# KiCad board nyx.kicad_pcb (continued)
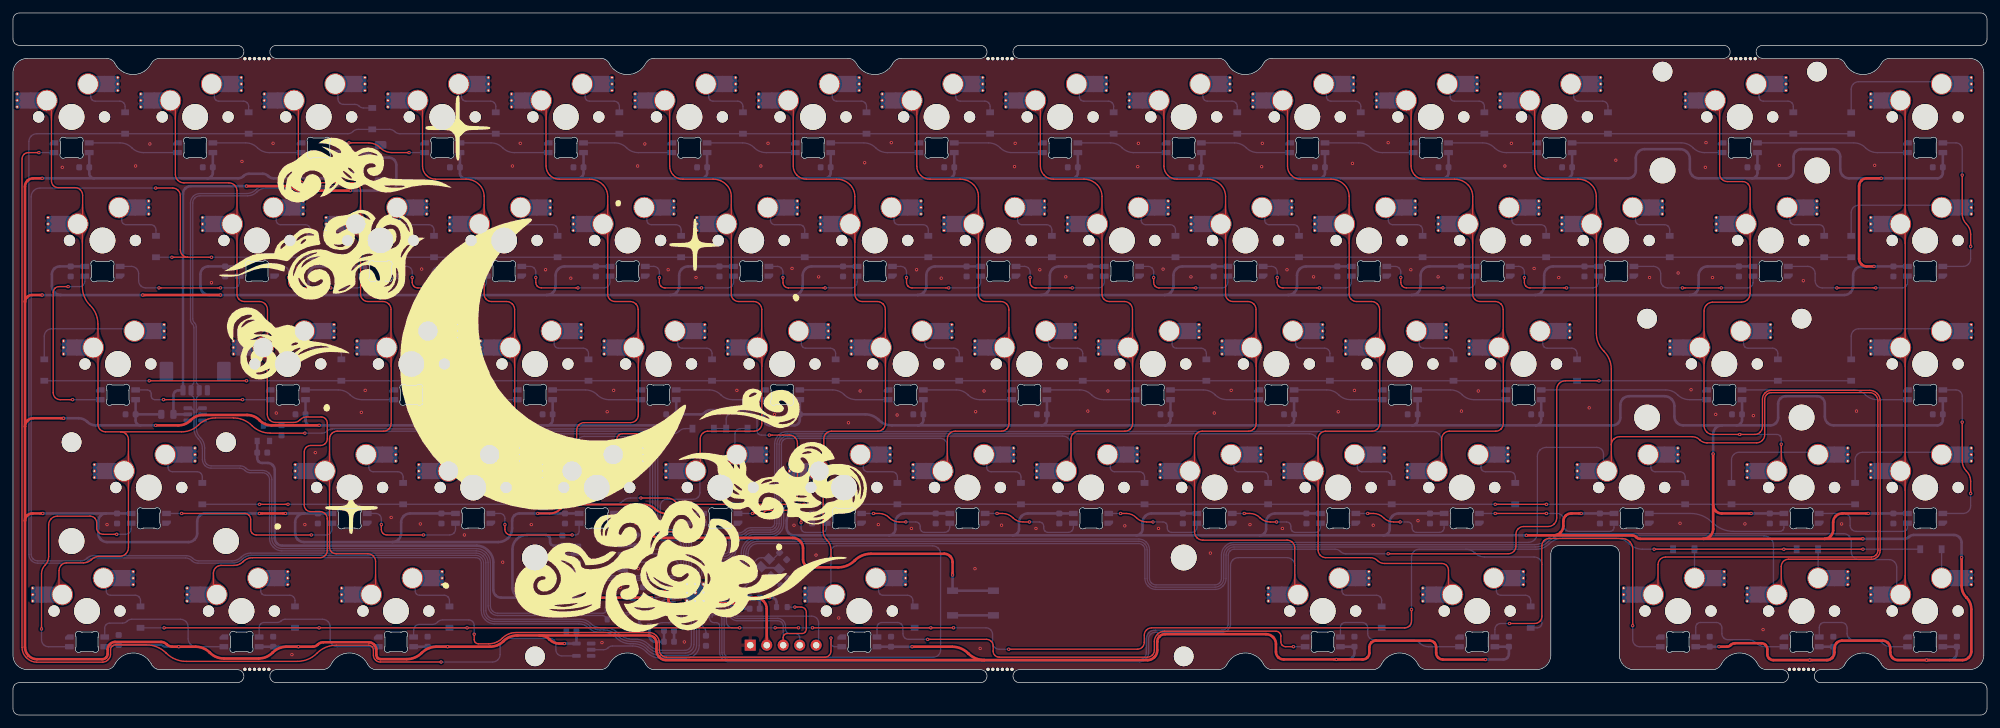
[diagram p0: board, top side]
## Routing (per net, layer and track width the routed paths; a pad name or vN(x,y) marks a point on that pad's centre or on a via; arc(x,y) is an arc through that point) (continued)
GND: length 20.9
  Bottom w0.2: U3.19 109.72,19.88 arc(110.32,20) 110.83,20.35 v1(111.43,20.95)
  Bottom w0.3: Y1.2 115.53,22.7 117.94,22.7 Y1.4
  Bottom w0.4: C12.2 C10.2 ; C15.2 C14.2 ; SW1.1 SW1.1 ; C6.2 C11.2 ; C4.2 C5.2 ; C8.2 C9.2
  vias: v1(7.6,84.47) v1(14.5,29.37) v1(18.9,84.67) v1(21.1,88.07) v1(30.6,66.67) v1(35.3,85.37) v1(40.1,88.17) v1(40.6,46.57) v1(43,9.32) v1(43.9,68.97) v1(45,29.37) v1(46.6,40.47) v1(47.9,67.57) v1(53.7,46.67) v1(54.3,50.07) v1(58.3,30.47) v1(62.8,29.47) v1(63,68.77) v1(67.1,67.57) v1(69.6,27.77) v1(72.4,46.77) v1(73.5,50.07) v1(75.5,23.57) v1(77,84.67) v1(78.2,88.17) v1(79.9,29.37) v1(82.1,68.67) v1(86,67.37) v1(90.8,11.17) v1(91.6,46.77) v1(92.6,50.07) v1(93.6,19.67) v1(96,29.57) v1(96.3,84.67) v1(96.4,22.57) v1(97.4,88.07) v1(101,68.67) v1(102.3,29.67) v1(103.5,11.27) v1(105.3,67.47) v1(105.5,25.97) v1(111.6,50.07) v1(115.3,84.67) v1(116.4,88.17) v1(117.4,46.37) v1(120.1,68.87) v1(120.4,29.27) v1(123.8,24.67) v1(124.2,67.57) v1(127.3,14.97) v1(128.8,45.07) v1(130.6,49.97) v1(131.3,85.17) v1(133.4,29.37) v1(135.4,88.27) v1(136.3,46.27) v1(138.5,28.77) v1(139.3,68.67) v1(143.1,67.37) v1(148.3,22.57) v1(148.4,46.77) v1(149.1,10.27) v1(149.7,49.97) v1(152.4,29.27) v1(154.4,84.57) v1(154.5,88.17) v1(157.7,28.77) v1(158.3,68.67) v1(162.3,67.57) v1(165.7,46.87) v1(168.8,49.97) v1(171.4,29.17) v1(173.4,84.57) v1(173.5,88.17) v1(176.6,28.77) v1(177.3,68.77) v1(181.6,67.57) v1(184.6,24.97) v1(185.2,46.57) v1(187.8,50.07) v1(190.7,29.37) v1(192.5,84.57) v1(192.6,88.17) v1(195.7,28.77) v1(196.4,68.67) v1(200.5,67.57) v1(204.3,46.77) v1(206.5,85.07) v1(206.8,50.07) v1(209.7,29.27) v1(212,88.27) v1(215.5,68.67) v1(216.6,29.97) v1(219.7,67.57) v1(223.3,46.87) v1(225.9,49.97) v1(230,84.67) v1(231,88.17) v1(234.5,68.87) v1(238.3,67.47) v1(243,47.37) v1(247.1,85.57) v1(252.3,67.47) v1(256.7,68.17) v1(257,29.57) v1(258.7,50.17) v1(260.9,84.47) v1(261,88.27) v1(262,67.47) v1(262.5,46.37) v1(267,29.47) v1(268.3,46.17) v1(269.8,13.17) v1(272.3,84.77) v1(276,66.97) v1(281.9,29.47) v1(284.2,46.87) v1(287,84.77)
VBUS: length 81.7
  Top w0.4: v1(36,81.57) 42.52,81.57 arc(42.96,81.48) 43.34,81.24 43.36,81.21 arc(43.74,80.96) 44.18,80.87 v1(52,80.87)
  Bottom w0.4: v1(36,81.57) 27.42,81.57 arc(26.96,81.48) 26.57,81.22 26.56,81.21 arc(26.3,80.82) 26.21,80.37 J1.1 25.52,50.08 arc(25.23,50.02) 24.99,49.86 24.96,49.83 arc(24.79,49.59) 24.74,49.3 F1.1 ESD1.5 ; v1(52,80.87) 58.09,80.87 arc(58.47,80.95) 58.79,81.17 58.81,81.18 arc(59.02,81.5) 59.1,81.89 59.1,84.82 arc(59.02,85.24) 58.78,85.59 58.72,85.65 arc(58.37,85.89) 57.94,85.97 56.11,85.97 arc(55.73,86.05) 55.41,86.27 55.34,86.33 arc(55.02,86.55) 54.64,86.62 J3.1
/DM: length 153.5
  Bottom w0.2: 52.1,85.62 51.99,85.51 arc(51.78,85.37) 51.53,85.32 51.3,85.32 arc(50.94,85.25) 50.63,85.04 50.59,85 arc(50.38,84.7) 50.31,84.33 50.31,82.55 arc(50.24,82.21) 50.05,81.92 50.01,81.89 arc(49.72,81.69) 49.38,81.62 38.88,81.62 arc(38.12,81.47) 37.47,81.04 37.44,81.01 arc(36.79,80.57) 36.03,80.42 28.8,80.42 arc(28.26,80.32) 27.81,80.01 27.77,79.98 arc(27.47,79.52) 27.36,78.99 27.36,60.99 arc(27.43,60.64) 27.63,60.35 27.64,60.34 arc(27.83,60.05) 27.9,59.71 27.9,51.42 arc(27.85,51.19) 27.72,51 27.46,50.73 J1.2 27.46,49.41 27.74,49.14 arc(27.87,48.94) 27.91,48.71 27.91,46.68 ; ESD1.6 27.52,47.32 27.74,47.1 arc(27.87,46.91) 27.91,46.68 ; 27.91,46.68 27.91,44.15 arc(28.08,43.33) 28.54,42.63 28.57,42.6 arc(29.04,41.9) 29.2,41.08 29.2,39.41 arc(29.3,38.91) 29.58,38.49 29.62,38.45 arc(30.04,38.17) 30.54,38.07 34.92,38.07 arc(35.36,37.98) 35.74,37.74 35.76,37.71 arc(36.14,37.46) 36.58,37.37 38.45,37.37 arc(38.88,37.29) 39.23,37.05 39.23,37.05 arc(39.47,36.69) 39.56,36.27 39.56,27.2 arc(39.69,26.53) 40.07,25.96 40.19,25.83 arc(40.76,25.46) 41.43,25.32 71.42,25.32 arc(72.09,25.19) 72.66,24.81 72.74,24.73 arc(73.12,24.16) 73.25,23.49 73.25,16.81 arc(73.36,16.27) 73.66,15.82 73.72,15.76 arc(74.17,15.46) 74.71,15.35 90.79,15.35 arc(91.11,15.29) 91.38,15.11 91.61,14.88 R5.2
/DP: length 152.5
  Bottom w0.2: 28.26,46.69 28.26,48.69 arc(28.31,48.91) 28.44,49.11 28.71,49.38 J1.3 28.71,50.76 28.43,51.05 arc(28.3,51.24) 28.25,51.47 28.25,59.85 arc(28.18,60.19) 27.99,60.49 27.98,60.49 arc(27.78,60.79) 27.71,61.13 27.71,78.97 arc(27.8,79.39) 28.04,79.74 28.04,79.75 arc(28.4,79.99) 28.82,80.07 36.17,80.07 arc(36.94,80.22) 37.59,80.66 37.61,80.69 arc(38.26,81.12) 39.03,81.27 49.4,81.27 arc(49.86,81.36) 50.25,81.62 50.31,81.68 arc(50.57,82.07) 50.66,82.53 50.66,84.31 arc(50.71,84.56) 50.85,84.77 50.86,84.78 arc(51.07,84.92) 51.32,84.97 51.48,84.97 arc(51.73,84.92) 51.94,84.78 52.1,84.62 ; 28.26,46.69 28.26,44.3 arc(28.43,43.47) 28.89,42.78 28.92,42.75 arc(29.39,42.05) 29.55,41.23 29.55,39.43 arc(29.63,39.05) 29.84,38.72 29.85,38.71 arc(30.18,38.5) 30.56,38.42 35.07,38.42 arc(35.51,38.33) 35.88,38.09 35.91,38.06 arc(36.28,37.81) 36.72,37.72 38.48,37.72 arc(39.01,37.62) 39.47,37.31 39.49,37.28 arc(39.8,36.83) 39.9,36.29 39.9,27.22 arc(40.02,26.66) 40.33,26.19 40.43,26.1 arc(40.9,25.78) 41.45,25.67 71.44,25.67 arc(72.22,25.52) 72.89,25.07 73,24.96 arc(73.44,24.3) 73.6,23.51 73.6,16.83 arc(73.68,16.41) 73.92,16.05 73.95,16.02 arc(74.31,15.78) 74.73,15.7 90.98,15.7 arc(91.17,15.74) 91.33,15.85 91.61,16.13 R4.2 ; 28.26,46.69 arc(28.31,46.91) 28.44,47.11 28.65,47.32 ESD1.1
/~{USB_BOOT}: length 64.2
  Top w0.4: v1(97.3,27.78) 98.28,27.78 arc(98.57,27.72) 98.81,27.56 98.83,27.54 arc(99.07,27.38) 99.36,27.32 120.19,27.32 arc(120.8,27.2) 121.32,26.85 121.33,26.84 arc(121.68,26.32) 121.8,25.71 121.8,23.95 arc(121.89,23.51) 122.14,23.14 122.16,23.11 arc(122.54,22.86) 122.98,22.77 127.23,22.77 arc(128.59,23.04) 129.74,23.81 129.76,23.83 arc(130.91,24.6) 132.27,24.87 143.58,24.87 arc(144.06,24.78) 144.47,24.51 144.48,24.49 arc(144.75,24.08) 144.85,23.6 v1(144.85,21.59)
  Bottom w0.4: 96.1,27.78 v1(97.3,27.78) ; SW1.2 SW1.2 v1(144.85,21.59)
ARGB_3V3: length 23.1
  Bottom w0.2: U3.34 105.78,10.72 arc(105.64,10.02) 105.24,9.42 105.16,9.33 arc(104.56,8.93) 103.85,8.79 99.8,8.79 arc(98.69,9.01) 97.75,9.64 97.59,9.8 arc(96.65,10.43) 95.54,10.65 92.42,10.65 arc(92.05,10.58) 91.75,10.37 91.73,10.35 arc(91.42,10.14) 91.06,10.07 U2.2
ARGB_5V: length 177
  Top w0.2: v1(66,8.17) 56.61,8.17 arc(56.24,8.24) 55.94,8.45 55.84,8.54 arc(55.64,8.85) 55.56,9.21 55.56,10.01 arc(55.51,10.3) 55.34,10.54 55.33,10.55 arc(55.09,10.72) 54.8,10.77 49.86,10.77 arc(48.23,10.45) 46.86,9.53 46.84,9.52 arc(45.47,8.6) 43.84,8.27 26.7,8.27 arc(25.04,8.6) 23.63,9.55 23.62,9.55 arc(22.21,10.49) 20.55,10.82 15.8,10.82 arc(15.51,10.77) 15.27,10.6 15.26,10.6 arc(15.1,10.35) 15.04,10.07 15.04,9.37 arc(14.96,8.95) 14.72,8.59 14.61,8.48 arc(14.25,8.24) 13.83,8.16 3.65,8.16 arc(2.83,8.32) 2.13,8.79 2.03,8.89 arc(1.56,9.59) 1.4,10.41 1.4,85.78 arc(1.47,86.14) 1.68,86.45 1.69,86.46 arc(2,86.67) 2.36,86.74 v1(4,86.74)
  Bottom w0.2: LED1.3 v1(4,86.74) ; U2.4 84.62,9.12 arc(84.28,9.19) 83.99,9.39 83.96,9.41 arc(83.77,9.7) 83.7,10.05 83.7,10.9 arc(83.63,11.24) 83.44,11.54 83.41,11.56 arc(83.12,11.75) 82.78,11.82 76.37,11.82 arc(75.89,11.73) 75.48,11.46 75.47,11.44 arc(75.2,11.03) 75.1,10.55 75.1,9.35 arc(75.01,8.91) 74.76,8.54 74.74,8.51 arc(74.36,8.26) 73.92,8.17 v1(66,8.17)
Col0: length 204.3
  Top w0.2: MX59.1 7.1,19.08 7.1,22.3 arc(7.19,22.74) 7.44,23.11 7.46,23.14 arc(7.84,23.38) 8.28,23.47 10.9,23.47 arc(11.55,23.6) 12.1,23.97 12.1,23.97 arc(12.65,24.34) 13.3,24.47 16.44,24.47 arc(16.96,24.58) 17.4,24.87 17.4,24.88 arc(17.7,25.31) 17.8,25.83 17.8,36.96 MX45.1 17.8,38.3 17.8,42.5 arc(17.71,42.94) 17.46,43.31 17.44,43.34 arc(17.06,43.58) 16.62,43.67 ; MX1.1 5.93,94.07 5.93,82.36 arc(6.01,81.98) 6.23,81.66 6.25,81.63 arc(6.58,81.42) 6.96,81.34 9.57,81.34 arc(10.01,81.25) 10.38,81 10.4,80.99 arc(10.65,80.61) 10.73,80.17 10.73,76.48 MX16.1 10.7,75.01 10.7,66.05 arc(11.01,64.5) 11.89,63.19 11.91,63.16 arc(12.79,61.84) 13.1,60.29 13.1,57.41 MX31.1 13.1,55.95 13.1,44.85 arc(13.19,44.41) 13.44,44.04 13.46,44.01 arc(13.84,43.76) 14.28,43.67 16.62,43.67 ; 16.62,43.67 26.02,43.67 arc(27.42,43.95) 28.6,44.74 28.62,44.75 arc(29.8,45.54) 31.2,45.82 33.99,45.82 arc(35.52,45.52) 36.82,44.65 36.83,44.64 arc(38.13,43.78) 39.66,43.47 v1(45,43.47)
  Bottom w0.2: v1(45,43.47) 47.65,43.47 arc(48.07,43.56) 48.42,43.79 48.43,43.8 arc(48.79,44.04) 49.21,44.12 97.63,44.12 arc(98.3,43.99) 98.86,43.61 98.89,43.58 arc(99.27,43.02) 99.4,42.35 99.4,29.33 arc(99.48,28.91) 99.72,28.55 99.78,28.49 arc(100.13,28.26) 100.56,28.17 102.51,28.17 arc(103.1,28.05) 103.6,27.72 103.73,27.59 arc(104.07,27.09) 104.18,26.5 U3.5
Col1: length 215.2
  Top w0.2: MX2.1 25.03,94.02 25.03,83.38 arc(25.13,82.88) 25.42,82.46 25.42,82.45 arc(25.84,82.17) 26.34,82.07 33.3,82.07 arc(33.76,81.98) 34.15,81.72 34.18,81.69 arc(34.44,81.3) 34.53,80.84 34.53,76.46 MX17.1 34.53,74.99 34.53,64.89 arc(34.62,64.47) 34.86,64.12 34.88,64.09 arc(35.23,63.86) 35.66,63.77 37.98,63.77 arc(38.46,63.68) 38.87,63.41 38.87,63.4 arc(39.14,63) 39.23,62.52 39.23,57.35 MX32.1 39.2,56.04 39.2,46.39 arc(39.3,45.91) 39.57,45.51 39.58,45.49 arc(39.99,45.22) 40.47,45.12 43.27,45.12 arc(43.81,45.23) 44.26,45.53 44.29,45.56 arc(44.74,45.87) 45.28,45.97 47.53,45.97 arc(47.87,45.9) 48.16,45.71 48.19,45.69 arc(48.38,45.39) 48.45,45.05 48.45,42.59 arc(48.37,42.2) 48.16,41.88 48.14,41.87 arc(47.82,41.65) 47.44,41.57 45.91,41.57 arc(45.53,41.5) 45.21,41.28 45.19,41.27 arc(44.98,40.94) 44.9,40.56 44.9,32.39 arc(44.98,32) 45.19,31.68 45.21,31.67 arc(45.53,31.45) 45.91,31.37 47.34,31.37 arc(47.77,31.29) 48.12,31.05 48.13,31.04 arc(48.37,30.69) 48.45,30.27 48.45,25.38 arc(48.37,24.96) 48.13,24.6 48.12,24.59 arc(47.77,24.36) 47.34,24.27 36.93,24.27 arc(36.16,24.12) 35.51,23.69 35.49,23.66 arc(34.84,23.22) 34.07,23.07 32.08,23.07 arc(31.64,22.98) 31.26,22.74 31.24,22.71 arc(30.99,22.34) 30.9,21.9 30.9,19.1 MX60.1
  Bottom w0.2: U3.35 105.38,10.8 arc(105.27,10.21) 104.93,9.7 104.85,9.63 arc(104.35,9.29) 103.76,9.17 99.91,9.17 arc(98.8,9.39) 97.86,10.02 97.73,10.15 arc(96.79,10.78) 95.68,11 95.18,11 arc(94.03,11.23) 93.06,11.88 93.04,11.89 arc(92.06,12.54) 90.91,12.77 90.32,12.77 arc(89.48,12.94) 88.77,13.42 88.75,13.43 arc(88.04,13.91) 87.19,14.08 74.19,14.08 arc(73.47,14.22) 72.85,14.63 72.76,14.73 arc(72.34,15.34) 72.2,16.07 72.2,23.42 arc(72.14,23.75) 71.95,24.02 71.95,24.02 arc(71.67,24.21) 71.35,24.27 36.92,24.27 arc(36.15,24.12) 35.5,23.69 35.47,23.66 arc(34.83,23.22) 34.06,23.07 32.08,23.07 arc(31.64,22.98) 31.26,22.74 31.24,22.71 arc(30.99,22.34) 30.9,21.9 30.9,19.1 MX60.1
Col2: length 185.9
  Top w0.2: MX3.1 44,94.1 44,83.27 arc(44.09,82.83) 44.34,82.46 44.36,82.43 arc(44.74,82.18) 45.18,82.1 52.38,82.1 arc(52.84,82) 53.23,81.74 53.23,81.74 arc(53.49,81.35) 53.58,80.89 53.58,76.46 MX18.1 53.58,74.99 53.58,64.89 arc(53.67,64.47) 53.91,64.12 53.93,64.09 arc(54.28,63.86) 54.71,63.77 57.03,63.77 arc(57.51,63.68) 57.92,63.41 57.92,63.4 arc(58.19,63) 58.28,62.52 58.28,57.35 MX33.1 58.3,55.99 58.3,44.95 arc(58.21,44.51) 57.96,44.14 57.94,44.11 arc(57.56,43.86) 57.12,43.77 49.98,43.77 arc(49.54,43.68) 49.16,43.44 49.14,43.41 arc(48.89,43.04) 48.8,42.6 48.8,38.34 MX46.1 48.8,36.91 48.8,25.89 arc(48.88,25.5) 49.09,25.18 49.11,25.17 arc(49.43,24.95) 49.81,24.87 54.72,24.87 arc(55.16,24.78) 55.54,24.54 55.56,24.51 arc(55.81,24.14) 55.9,23.7 55.9,19.25 MX61.1
  Bottom w0.2: U3.4 103.78,26.45 arc(103.69,26.93) 103.42,27.34 103.35,27.41 arc(102.95,27.68) 102.47,27.77 100.48,27.77 arc(99.94,27.88) 99.49,28.18 99.41,28.26 arc(99.11,28.72) 99,29.25 99,42.27 arc(98.89,42.83) 98.58,43.3 98.52,43.35 arc(98.05,43.66) 97.5,43.77 49.98,43.77 arc(49.54,43.68) 49.16,43.44 49.14,43.41 arc(48.89,43.04) 48.8,42.6 48.8,38.34 MX46.1
Col3: length 139
  Top w0.2: MX47.1 67.85,38.34 67.85,42.6 arc(67.94,43.04) 68.19,43.41 68.21,43.44 arc(68.59,43.68) 69.03,43.77 76.17,43.77 arc(76.61,43.86) 76.99,44.11 77.01,44.14 arc(77.26,44.51) 77.35,44.95 77.35,55.99 MX34.1 77.33,57.35 77.33,62.52 arc(77.24,63) 76.97,63.4 76.97,63.41 arc(76.56,63.68) 76.08,63.77 73.76,63.77 arc(73.33,63.86) 72.98,64.09 72.96,64.12 arc(72.72,64.47) 72.63,64.89 72.63,74.99 MX19.1 72.63,76.46 72.63,79.97 arc(72.44,80.96) 71.88,81.8 arc(70.94,82.42) 69.84,82.64 65.15,82.64 arc(64.39,82.79) 63.74,83.23 63.72,83.24 arc(63.29,83.89) 63.13,84.66 63.13,94.02 MX4.1
  Bottom w0.2: MX47.1 67.8,38.29 67.8,42.36 arc(67.88,42.74) 68.09,43.07 68.11,43.08 arc(68.43,43.3) 68.81,43.37 97.42,43.37 arc(97.86,43.28) 98.24,43.04 98.26,43.01 arc(98.51,42.64) 98.6,42.2 98.6,29.18 arc(98.73,28.53) 99.1,27.97 99.2,27.87 arc(99.75,27.5) 100.4,27.37 102.39,27.37 arc(102.75,27.3) 103.06,27.09 103.11,27.05 arc(103.31,26.74) 103.38,26.38 U3.3
Col4: length 118.8
  Top w0.2: MX48.1 86.9,38.34 86.9,43.92 arc(86.99,44.36) 87.24,44.73 87.26,44.76 arc(87.64,45.01) 88.08,45.1 95.22,45.1 arc(95.66,45.18) 96.04,45.43 96.06,45.46 arc(96.31,45.83) 96.4,46.27 96.4,55.99 MX35.1 96.38,57.35 96.38,62.52 arc(96.29,63) 96.02,63.4 96.02,63.41 arc(95.61,63.68) 95.13,63.77 92.81,63.77 arc(92.38,63.86) 92.03,64.09 92.01,64.12 arc(91.77,64.47) 91.68,64.89 91.68,74.99 MX20.1 91.68,76.46 91.68,79.97 arc(91.49,80.96) 90.93,81.8 arc(89.99,82.42) 88.89,82.64 84.2,82.64 arc(83.44,82.79) 82.79,83.23 82.77,83.24 arc(82.34,83.89) 82.18,84.66 82.18,94.02 MX5.1
  Bottom w0.2: MX48.1 86.9,38.34 86.9,41.8 arc(86.99,42.24) 87.24,42.61 87.26,42.64 arc(87.64,42.88) 88.08,42.97 97.35,42.97 arc(97.67,42.91) 97.95,42.72 97.95,42.72 arc(98.14,42.45) 98.2,42.12 98.2,29.1 arc(98.35,28.34) 98.79,27.69 98.92,27.55 arc(99.57,27.12) 100.34,26.96 102.32,26.96 arc(102.57,26.92) 102.78,26.77 102.79,26.76 arc(102.94,26.55) 102.98,26.3 U3.2
Col5: length 102.9
  Top w0.2: MX6.1 101.23,94.02 101.23,84.66 arc(101.39,83.89) 101.82,83.24 101.84,83.23 arc(102.49,82.79) 103.25,82.64 107.94,82.64 arc(109.04,82.42) 109.98,81.8 arc(110.54,80.96) 110.73,79.97 110.73,76.46 MX21.1 110.73,74.99 110.73,64.89 arc(110.82,64.47) 111.06,64.12 111.08,64.09 arc(111.43,63.86) 111.86,63.77 114.18,63.77 arc(114.66,63.68) 115.07,63.41 115.07,63.4 arc(115.34,63) 115.43,62.52 115.43,57.35 MX36.1 115.45,55.99 115.45,44.95 arc(115.36,44.51) 115.11,44.14 115.09,44.11 arc(114.71,43.86) 114.27,43.77 107.13,43.77 arc(106.69,43.68) 106.31,43.44 106.29,43.41 arc(106.04,43.04) 105.95,42.6 105.95,38.34 MX49.1
  Bottom w0.2: MX49.1 105.9,36.96 105.9,34.29 arc(105.82,33.9) 105.61,33.58 105.59,33.57 arc(105.27,33.35) 104.89,33.27 100.81,33.27 arc(100.43,33.2) 100.11,32.98 100.09,32.97 arc(99.88,32.64) 99.8,32.26 99.8,29.4 arc(99.86,29.1) 100.03,28.84 100.07,28.81 arc(100.33,28.63) 100.63,28.57 102.53,28.57 arc(103.24,28.43) 103.84,28.03 104.04,27.83 arc(104.44,27.23) 104.58,26.52 U3.6
Col6: length 174.1
  Top w0.2: v1(126.1,24.27) 126.1,25.53 arc(125.95,26.3) 125.51,26.94 125.49,26.97 arc(125.05,27.62) 124.9,28.39 124.9,37.01 MX50.1 125,38.34 125,42.6 arc(125.09,43.04) 125.34,43.41 125.36,43.44 arc(125.74,43.68) 126.18,43.77 133.32,43.77 arc(133.76,43.86) 134.14,44.11 134.16,44.14 arc(134.41,44.51) 134.5,44.95 134.5,55.99 MX37.1 134.48,57.35 134.48,62.52 arc(134.39,63) 134.12,63.4 134.12,63.41 arc(133.71,63.68) 133.23,63.77 130.91,63.77 arc(130.48,63.86) 130.13,64.09 130.11,64.12 arc(129.87,64.47) 129.78,64.89 129.78,74.99 MX22.1 129.78,76.46 129.78,79.97 arc(129.59,80.96) 129.03,81.8 arc(128.09,82.42) 126.99,82.64 122.3,82.64 arc(121.54,82.79) 120.89,83.23 120.87,83.24 arc(120.44,83.89) 120.28,84.66 120.28,94.02 MX7.1
  Bottom w0.2: MX62.1 126.1,19.15 v1(126.1,24.27) 126.1,25.22 arc(126.16,25.55) 126.35,25.82 126.37,25.85 arc(126.65,26.03) 126.97,26.1 141.78,26.1 arc(142.24,26) 142.63,25.74 142.65,25.72 arc(142.91,25.33) 143,24.88 143,10.03 arc(142.92,9.61) 142.68,9.25 142.66,9.23 arc(142.3,8.99) 141.88,8.91 110.41,8.91 arc(110.12,8.96) 109.88,9.13 109.85,9.15 arc(109.69,9.4) 109.63,9.68 109.63,15.69 arc(109.59,15.93) 109.45,16.13 arc(109.28,16.25) 109.09,16.28 U3.28
Col7: length 136.9
  Top w0.2: MX8.1 139.33,94.02 139.33,84.66 arc(139.49,83.89) 139.92,83.24 139.94,83.23 arc(140.59,82.79) 141.35,82.64 146.04,82.64 arc(147.14,82.42) 148.08,81.8 arc(148.64,80.96) 148.83,79.97 148.83,76.46 MX23.1 148.83,74.99 148.83,64.89 arc(148.92,64.47) 149.16,64.12 149.18,64.09 arc(149.53,63.86) 149.96,63.77 152.28,63.77 arc(152.76,63.68) 153.17,63.41 153.17,63.4 arc(153.44,63) 153.53,62.52 153.53,57.35 MX38.1 153.55,55.99 153.55,44.95 arc(153.46,44.51) 153.21,44.14 153.19,44.11 arc(152.81,43.86) 152.37,43.77 145.23,43.77 arc(144.79,43.68) 144.41,43.44 144.39,43.41 arc(144.14,43.04) 144.05,42.6 144.05,38.34 MX51.1
  Bottom w0.2: MX51.1 144,38.29 144,41.66 arc(143.92,42.04) 143.71,42.37 143.69,42.38 arc(143.37,42.6) 142.99,42.67 119.39,42.67 arc(119.04,42.6) 118.75,42.41 118.73,42.39 arc(118.53,42.1) 118.46,41.75 118.46,29.51 arc(118.35,28.92) 118.01,28.42 117.89,28.3 arc(117.39,27.96) 116.79,27.84 114.21,27.84 arc(113.69,27.74) 113.25,27.45 113.23,27.42 arc(112.79,27.13) 112.27,27.03 111.96,27.03 arc(111.76,26.99) 111.6,26.88 111.6,26.87 arc(111.49,26.71) 111.45,26.52 111.45,25.48 arc(111.33,24.89) 110.99,24.38 110.74,24.13 arc(110.23,23.79) 109.64,23.67 108.47,23.67 arc(108.22,23.62) 108.01,23.48 107.98,23.45 arc(107.83,23.24) 107.78,22.99 U3.14
Col8: length 156.9
  Top w0.2: MX9.1 158.38,94.02 158.38,84.66 arc(158.54,83.89) 158.97,83.24 158.99,83.23 arc(159.64,82.79) 160.4,82.64 165.09,82.64 arc(166.19,82.42) 167.13,81.8 arc(167.69,80.96) 167.88,79.97 167.88,76.46 MX24.1 167.88,74.99 167.88,64.89 arc(167.97,64.47) 168.21,64.12 168.23,64.09 arc(168.58,63.86) 169.01,63.77 171.33,63.77 arc(171.81,63.68) 172.22,63.41 172.22,63.4 arc(172.49,63) 172.58,62.52 172.58,57.35 MX39.1 172.6,55.99 172.6,44.95 arc(172.51,44.51) 172.26,44.14 172.24,44.11 arc(171.86,43.86) 171.42,43.77 164.28,43.77 arc(163.84,43.68) 163.46,43.44 163.44,43.41 arc(163.19,43.04) 163.1,42.6 163.1,38.34 MX52.1
  Bottom w0.2: MX52.1 163.1,38.34 163.1,41.75 arc(163,42.23) 162.73,42.64 162.72,42.66 arc(162.31,42.93) 161.83,43.02 119.36,43.02 arc(118.91,42.93) 118.52,42.67 118.47,42.62 arc(118.21,42.23) 118.11,41.77 118.11,29.53 arc(118.02,29.06) 117.75,28.65 117.66,28.56 arc(117.25,28.29) 116.77,28.19 114.06,28.19 arc(113.55,28.09) 113.11,27.8 113.08,27.77 arc(112.64,27.48) 112.13,27.38 111.93,27.38 arc(111.63,27.31) 111.37,27.14 111.33,27.11 arc(111.16,26.85) 111.1,26.54 111.1,25.5 arc(111,25.02) 110.73,24.62 110.55,24.44 arc(110.15,24.17) 109.67,24.07 108.39,24.07 arc(108.03,24) 107.72,23.79 107.66,23.74 arc(107.46,23.43) 107.38,23.06 U3.13
Col9: length 228.1
  Top w0.2: MX10.1 177.43,94.02 177.43,84.66 arc(177.59,83.89) 178.02,83.24 178.04,83.23 arc(178.69,82.79) 179.45,82.64 184.14,82.64 arc(185.24,82.42) 186.18,81.8 arc(186.74,80.96) 186.93,79.97 186.93,76.46 MX25.1 186.93,74.99 186.93,64.89 arc(187.02,64.47) 187.26,64.12 187.28,64.09 arc(187.63,63.86) 188.06,63.77 190.38,63.77 arc(190.86,63.68) 191.27,63.41 191.27,63.4 arc(191.54,63) 191.63,62.52 191.63,57.35 MX40.1 191.65,55.99 191.65,44.95 arc(191.56,44.51) 191.31,44.14 191.29,44.11 arc(190.91,43.86) 190.47,43.77 183.33,43.77 arc(182.89,43.68) 182.51,43.44 182.49,43.41 arc(182.24,43.04) 182.15,42.6 182.15,38.34 MX53.1 182.15,36.91 182.15,28.24 arc(182.25,27.76) 182.52,27.36 182.53,27.34 arc(182.94,27.07) 183.42,26.97 196.42,26.97 arc(196.86,26.88) 197.24,26.64 197.26,26.61 arc(197.51,26.24) 197.6,25.8 197.6,19.08 MX63.1
  Bottom w0.2: U3.30 107.38,14.93 arc(107.43,14.69) 107.58,14.48 107.61,14.44 arc(107.82,14.3) 108.07,14.25 108.43,14.25 arc(108.62,14.21) 108.78,14.1 108.79,14.1 arc(108.9,13.93) 108.94,13.74 108.94,9.63 arc(109.04,9.11) 109.33,8.68 109.4,8.6 arc(109.84,8.31) 110.36,8.21 173.67,8.21 arc(174.19,8.31) 174.63,8.6 174.67,8.65 arc(174.96,9.09) 175.07,9.6 175.07,11.72 arc(175.14,12.11) 175.36,12.43 175.39,12.46 arc(175.71,12.67) 176.09,12.75 186.4,12.75 arc(186.88,12.85) 187.28,13.12 187.33,13.17 arc(187.6,13.57) 187.7,14.05 187.7,23.1 arc(187.79,23.54) 188.04,23.91 188.06,23.94 arc(188.44,24.18) 188.88,24.27 196.42,24.27 arc(196.86,24.18) 197.24,23.94 197.26,23.91 arc(197.51,23.54) 197.6,23.1 197.6,19.08 MX63.1
Col10: length 234.3
  Top w0.2: MX64.1 221.3,19.2 221.3,22.36 arc(221.22,22.74) 221.01,23.07 220.99,23.08 arc(220.67,23.3) 220.29,23.37 211.42,23.37 arc(210.85,23.49) 210.36,23.81 210.34,23.83 arc(209.85,24.16) 209.28,24.27 202.38,24.27 arc(201.94,24.36) 201.56,24.61 201.54,24.64 arc(201.29,25.01) 201.2,25.45 201.2,36.91 MX54.1 201.2,38.34 201.2,42.6 arc(201.29,43.04) 201.54,43.41 201.56,43.44 arc(201.94,43.68) 202.38,43.77 209.52,43.77 arc(209.96,43.86) 210.34,44.11 210.36,44.14 arc(210.61,44.51) 210.7,44.95 210.7,55.99 MX41.1 210.68,57.35 210.68,62.52 arc(210.59,63) 210.32,63.4 210.32,63.41 arc(209.91,63.68) 209.43,63.77 207.11,63.77 arc(206.68,63.86) 206.33,64.09 206.31,64.12 arc(206.07,64.47) 205.98,64.89 205.98,74.99 MX26.1 205.98,76.46 205.98,79.97 arc(205.79,80.96) 205.23,81.8 arc(204.29,82.42) 203.19,82.64 198.5,82.64 arc(197.74,82.79) 197.09,83.23 197.07,83.24 arc(196.64,83.89) 196.48,84.66 196.48,94.02 MX11.1
  Bottom w0.2: U3.12 106.98,23.14 arc(107.08,23.62) 107.35,24.02 107.43,24.11 arc(107.84,24.38) 108.32,24.47 109.7,24.47 arc(110.06,24.54) 110.37,24.75 110.47,24.85 arc(110.68,25.16) 110.75,25.52 110.75,27.05 arc(110.8,27.3) 110.94,27.51 110.96,27.53 arc(111.17,27.68) 111.42,27.73 111.98,27.73 arc(112.5,27.83) 112.94,28.12 112.96,28.15 arc(113.4,28.44) 113.92,28.54 116.75,28.54 arc(117.11,28.61) 117.42,28.82 117.49,28.88 arc(117.69,29.19) 117.76,29.56 117.76,41.79 arc(117.88,42.37) 118.2,42.85 118.28,42.93 arc(118.77,43.26) 119.34,43.37 199.84,43.37 arc(200.36,43.27) 200.8,42.98 200.8,42.97 arc(201.1,42.53) 201.2,42.01 201.2,38.34 MX54.1
Col11: length 216.2
  Top w0.2: MX55.1 220.25,38.34 220.25,42.6 arc(220.34,43.04) 220.59,43.41 220.61,43.44 arc(220.99,43.68) 221.43,43.77 228.57,43.77 arc(229.01,43.86) 229.39,44.11 229.41,44.14 arc(229.66,44.51) 229.75,44.95 229.75,55.99 MX42.1 229.73,57.35 229.73,62.52 arc(229.64,63) 229.37,63.4 229.37,63.41 arc(228.96,63.68) 228.48,63.77 226.16,63.77 arc(225.73,63.86) 225.38,64.09 225.36,64.12 arc(225.12,64.47) 225.03,64.89 225.03,74.99 MX27.1 225.03,76.46 225.03,79.97 arc(224.84,80.96) 224.28,81.8 arc(223.34,82.42) 222.24,82.64 217.55,82.64 arc(216.79,82.79) 216.14,83.23 216.12,83.24 arc(215.69,83.89) 215.53,84.66 215.53,94.02 MX12.1
  Bottom w0.2: U3.11 106.58,23.16 arc(106.7,23.76) 107.04,24.26 107.2,24.42 arc(107.7,24.75) 108.29,24.87 109.73,24.87 arc(109.98,24.92) 110.19,25.06 110.21,25.08 arc(110.35,25.29) 110.4,25.54 110.4,27.07 arc(110.47,27.44) 110.68,27.74 110.73,27.8 arc(111.04,28) 111.4,28.07 111.84,28.07 arc(112.36,28.18) 112.79,28.47 112.82,28.5 arc(113.26,28.79) 113.77,28.89 116.73,28.89 arc(116.98,28.94) 117.19,29.08 117.22,29.12 arc(117.37,29.33) 117.42,29.58 117.42,41.81 arc(117.55,42.5) 117.94,43.09 118.05,43.19 arc(118.63,43.58) 119.32,43.72 218.93,43.72 arc(219.41,43.63) 219.82,43.35 219.83,43.34 arc(220.1,42.93) 220.2,42.45 220.2,38.29 MX55.1
Col12: length 347.8
  Top w0.2: MX65.1 253.6,19.3 253.6,23.2 arc(253.69,23.64) 253.94,24.01 253.96,24.04 arc(254.34,24.28) 254.78,24.37 286.49,24.37 arc(286.87,24.45) 287.19,24.67 287.21,24.68 arc(287.42,25) 287.5,25.39 287.5,48.45 arc(287.4,48.93) 287.13,49.34 287.12,49.36 arc(286.71,49.63) 286.23,49.72 271.06,49.72 arc(270.68,49.65) 270.36,49.43 270.34,49.41 arc(270.13,49.09) 270.05,48.71 270.05,43.24 arc(269.95,42.76) 269.68,42.36 269.67,42.34 arc(269.26,42.07) 268.78,41.97 261.16,41.97 arc(260.55,42.09) 260.03,42.44 260.02,42.45 arc(259.5,42.8) 258.89,42.92 247.67,42.92 arc(247.19,42.83) 246.78,42.56 246.77,42.54 arc(246.5,42.13) 246.4,41.65 ; 246.4,41.65 246.4,53.36 arc(246.1,54.85) 245.26,56.11 245.24,56.13 arc(244.4,57.4) 244.1,58.89 244.1,74.98 MX28.1 244.08,76.46 244.08,79.97 arc(243.89,80.96) 243.33,81.8 arc(242.39,82.42) 241.29,82.64 236.6,82.64 arc(235.84,82.79) 235.19,83.23 235.17,83.24 arc(234.74,83.89) 234.58,84.66 234.58,94.02 MX13.1 ; 246.4,41.65 246.4,38.3 MX56.1